# Altium PCB Driver_BLDC.PcbDoc (part 1 of 3) (continued)
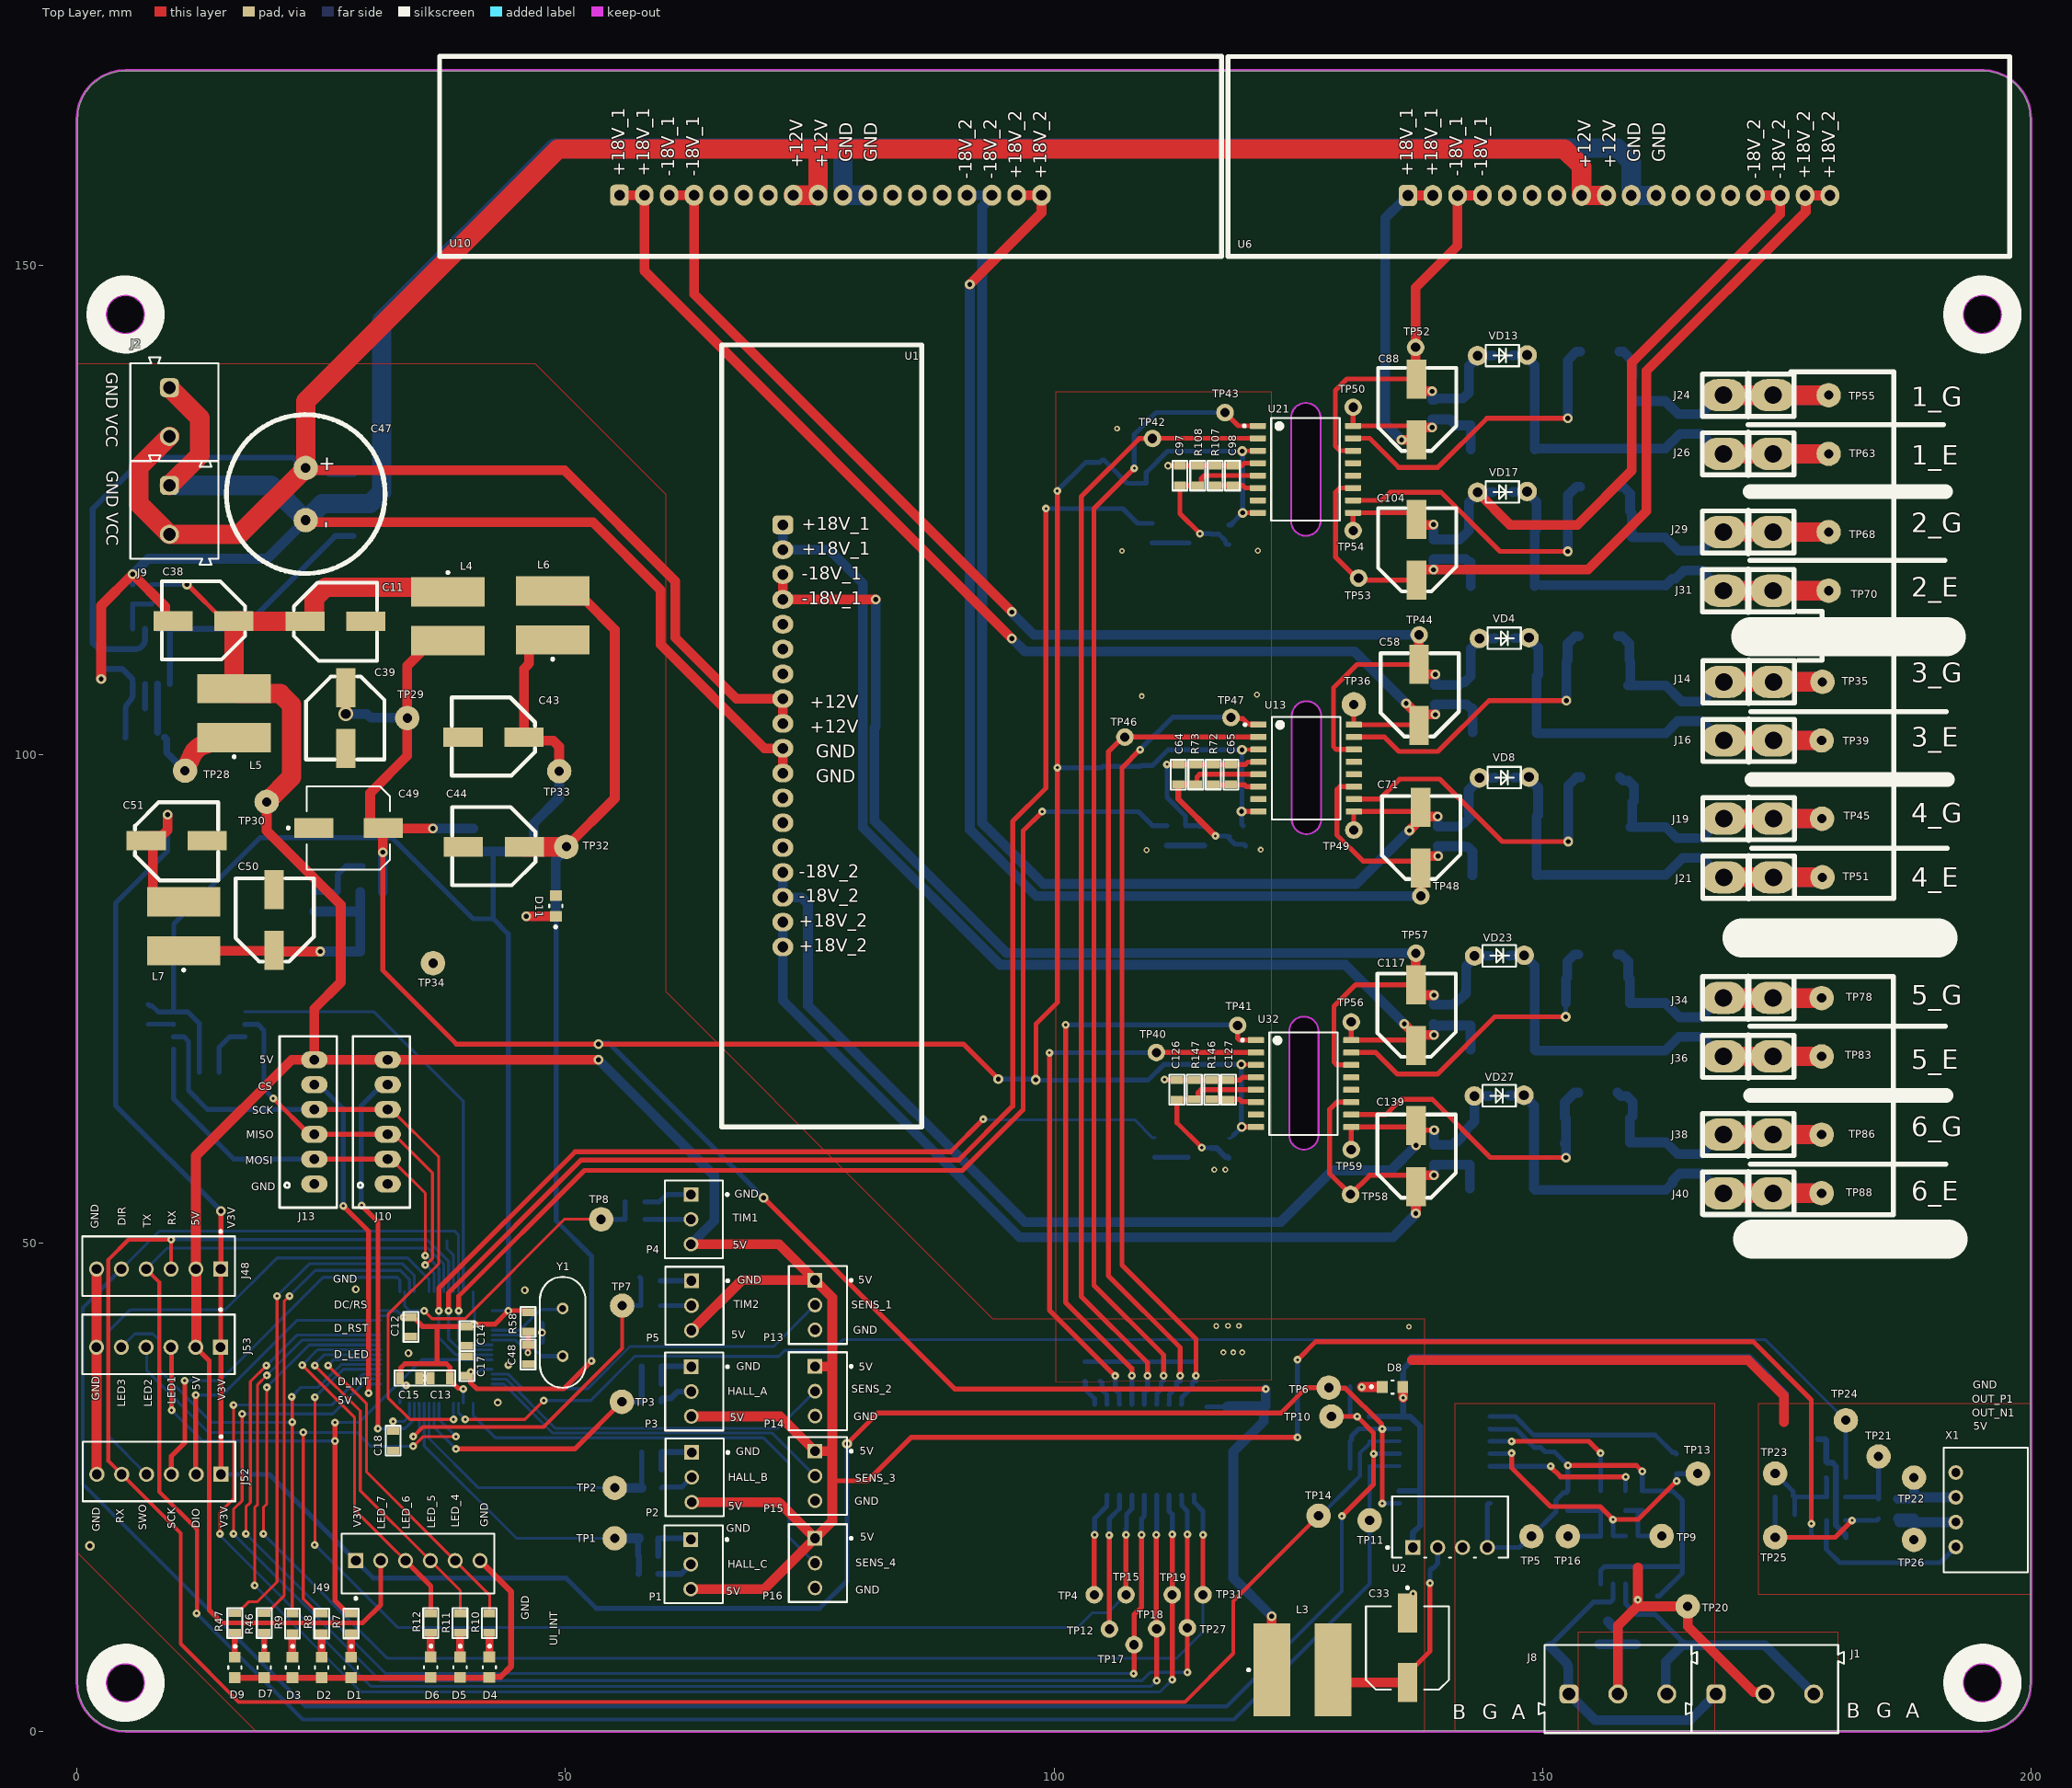
[diagram p0: Top Layer view]
## Components (designator, comment, footprint, x,y, rotation, side; value= is the part's Value field where it differs from the comment) (continued)
C70 "CAP-NON-POLAR" CAP-0805 139.267,91.593 r270 bottom
C71 "100uF_50V" CAP_SMD_Size_E 137.517,91.543 r270 top
C80 "CAP-POLAR" CAP-TAN-D 146.087,93.783 r180 bottom
C82 "CAP-NON-POLAR" CAP-0805 146.101,97.613 r0 bottom
C86 "CAP-NON-POLAR" CAP-0805 138.725,135.258 r270 bottom
C88 "100uF_50V" CAP_SMD_Size_E 137.095,135.35 r270 top
C92 "CAP-POLAR" CAP-TAN-D 145.915,137.138 r180 bottom
C94 "CAP-NON-POLAR" CAP-0805 145.915,140.798 r0 bottom
C97 "CAP-NON-POLAR" CAP-0805 112.893,128.518 r270 top
C98 "CAP-NON-POLAR" CAP-0805 118.265,128.518 r270 top
C102 "CAP-NON-POLAR" CAP-0805 138.825,120.978 r270 bottom
C104 "100uF_50V" CAP_SMD_Size_E 137.105,120.978 r270 top
C110 "CAP-POLAR" CAP-TAN-D 145.915,123.058 r180 bottom
C112 "CAP-NON-POLAR" CAP-0805 145.915,126.828 r0 bottom
C115 "CAP-NON-POLAR" CAP-0805 138.855,73.399 r270 bottom
C117 "100uF_50V" CAP_SMD_Size_E 137.045,73.379 r270 top
C122 "CAP-POLAR" CAP-TAN-D 145.615,75.699 r180 bottom
C123 "CAP-NON-POLAR" CAP-0805 145.615,79.389 r0 bottom
C126 "CAP-NON-POLAR" CAP-0805 112.585,65.674 r270 top
C127 "2.2nF" CAP-0805 117.865,65.674 r270 top
C138 "CAP-NON-POLAR" CAP-0805 138.895,59.029 r270 bottom
C139 "100uF_50V" CAP_SMD_Size_E 137.045,58.949 r270 top
C142 "CAP-POLAR" CAP-TAN-D 145.585,61.398 r180 bottom
C143 "CAP-NON-POLAR" CAP-0805 145.585,65.068 r0 bottom
D1 "151031YS06000" LED_RED 28.081,6.576 r270 top
D2 "151031YS06000" LED_GREEN 25.081,6.576 r270 top
D3 "151031YS06000" LED_YELLOW 22.081,6.576 r270 top
D4 "151031YS06000" LED_BLUE 42.231,6.601 r270 top
D5 "151031YS06000" LED_GREEN 39.231,6.601 r270 top
D6 "151031YS06000" LED_RED 36.231,6.601 r270 top
D7 "151031YS06000" LED_RED 19.202,6.576 r270 top
D8 "LED" LED_BLUE 134.643,35.267 r0 top
D9 "151031YS06000" LED_RED 16.193,6.576 r270 top
D10 "US1G" US1G_SMA 6.98,101.709 r180 bottom
D11 "151031YS06000" LED_GREEN 49.035,84.485 r90 top
D12 "US1G" US1G_SMA 155.717,112.063 r0 bottom
D14 "US1G" US1G_SMA 155.901,97.653 r0 bottom
D17 "US1G" US1G_SMA 155.855,141.188 r0 bottom
D19 "US1G" US1G_SMA 155.855,127.378 r0 bottom
D21 "US1G" US1G_SMA 155.65,79.534 r0 bottom
D24 "US1G" US1G_SMA 155.656,65.379 r0 bottom
J1 "" 691101710003 172.746,4.361 r0 top
J2 "691101710002" 691101710002 10,135.012 r270 top
J8 "" 691101710003 157.702,4.362 r0 top
J9 "691101710002" 691101710002 10,125 r270 top locked
J10 "B6B-XH-TW" B6B-XH-TW 31.193,62.387 r90 top locked
J13 "B6B-XH-TW" B6B-XH-TW 23.693,62.387 r90 top
J14 "G(4)" Klema_PCB_15A 171.087,107.413 r180 top
J16 "E(5)" Klema_PCB_15A 171.087,101.413 r180 top
J19 "G(6)" Klema_PCB_15A 171.087,93.413 r180 top
J21 "E(7)" Klema_PCB_15A 171.087,87.413 r180 top
J24 "G" Klema_PCB_15A 171.035,136.738 r180 top
J26 "E" Klema_PCB_15A 171.035,130.738 r180 top
J29 "G" Klema_PCB_15A 171.035,122.738 r180 top
J31 "E" Klema_PCB_15A 171.035,116.738 r180 top
J34 "G" Klema_PCB_15A 171.045,75.089 r180 top
J36 "E" Klema_PCB_15A 171.045,69.089 r180 top
J38 "G" Klema_PCB_15A 171.045,61.089 r180 top
J40 "E" Klema_PCB_15A 171.045,55.089 r180 top
J48 "" Sullins_SWR25X-NRTC-S06-ST-BA_MFG 8.397,47.632 r180 top
J49 "" Sullins_SWR25X-NRTC-S06-ST-BA_MFG 34.927,17.196 r0 top
J52 "" Sullins_SWR25X-NRTC-S06-ST-BA_MFG 8.432,26.632 r180 top locked
J53 "" Sullins_SWR25X-NRTC-S06-ST-BA_MFG 8.387,39.632 r180 top
L3 "744776227" WE-PD2_1054 1395.425,1276.325 r0 top
L4 "744776227" WE-PD2_7850 37.998,114.122 r270 top
L5 "220uH" WE-PD2_7850 16.12,104.209 r90 top
L6 "1000µH, 0.3A" WE-PD2_7850 48.717,114.198 r90 top
L7 "1000µH, 0.3A" WE-PD2_7850 10.96,82.399 r90 top
P1 "61900311121" 61900311121 63.142,17.127 r90 top
P2 "61900311121" 61900311121 63.243,26.027 r90 top
P3 "61900311121" 61900311121 63.193,34.802 r90 top
P4 "61900311121" 61900311121 63.167,52.421 r90 top
P5 "61900311121" 61900311121 63.217,43.591 r90 top
P13 "61900311121" 61900311121 75.855,43.65 r90 top
P14 "61900311121" 61900311121 75.855,34.835 r90 top
P15 "61900311121" 61900311121 75.855,26.165 r90 top
P16 "61900311121" 61900311121 75.855,17.25 r90 top
Q1 "BC847C" INF-SOT23_N 116.52,91.636 r0 bottom
Q2 "BC847C" INF-SOT23_N 114.945,122.571 r0 bottom
Q3 "BC847C" INF-SOT23_N 114.894,59.711 r0 bottom
R1 "10K" RES-0805 58.511,16.147 r180 bottom
R2 "10K" RES-0805 58.826,24.951 r180 bottom
R3 "10K" RES-0805 58.823,33.784 r180 bottom
R4 "10K" RES-0805 58.522,19.787 r0 bottom
R5 "10K" RES-0805 58.826,28.62 r0 bottom
R6 "10K" RES-0805 58.823,37.384 r0 bottom
R7 "220" RES-0805 28.081,11.076 r90 top
R8 "220" RES-0805 25.081,11.076 r90 top
R9 "220" RES-0805 22.081,11.076 r90 top
R10 "220" RES-0805 42.231,11.101 r90 top
R11 "220" RES-0805 39.231,11.101 r90 top
R12 "220" RES-0805 36.231,11.101 r90 top
R13 "10K" RES-0805 7.35,73.397 r270 bottom
R14 "10K" RES-0805 13.568,67.659 r0 bottom
R15 "10K" RES-0805 104.16,19.775 r90 bottom
R16 "10K" RES-0805 105.705,19.775 r90 bottom
R17 "10K" RES-0805 107.375,19.775 r90 bottom
R18 "10K" RES-0805 108.965,19.775 r90 bottom
R19 "10K" RES-0805 110.475,19.775 r90 bottom
R20 "10K" RES-0805 112.105,19.775 r90 bottom
R21 "10K" RES-0805 113.65,19.775 r90 bottom
R22 "20K" RES-0805 57.125,52.421 r180 bottom
R23 "20K" RES-0805 58.757,43.591 r180 bottom
R24 "10K" RES-0805 161.732,12.892 r90 bottom
R25 "10K" RES-0805 131.303,29.712 r180 bottom
R26 "10K" RES-0805 160.207,23.632 r90 bottom
R27 "10K" RES-0805 152.592,23.632 r90 bottom
R28 "10K" RES-0805 131.303,27.172 r180 bottom
R29 "30K" RES-0805 57.125,54.211 r180 bottom
R30 "30K" RES-0805 58.757,46.131 r180 bottom
R31 "10K" RES-0805 115.25,19.775 r90 bottom
R32 "100" RES-0805 158.477,23.632 r90 bottom
R33 "10K" RES-0805 103.17,36.851 r270 bottom
R34 "10K" RES-0805 104.726,36.851 r270 bottom
R35 "10K" RES-0805 106.271,36.851 r270 bottom
R36 "100" RES-0805 155.937,23.632 r90 bottom
R37 "10K" RES-0805 107.94,36.851 r270 bottom
R38 "10K" RES-0805 163.712,27.412 r270 bottom
R39 "220" RES-0805 131.303,35.287 r180 bottom
R40 "10K" RES-0805 131.303,32.252 r180 bottom
R41 "10K" RES-0805 156.662,12.292 r90 bottom
R42 "10K" RES-0805 109.58,36.851 r270 bottom
R43 "10K" RES-0805 111.225,36.851 r270 bottom
R44 "10K" RES-0805 112.915,36.851 r270 bottom
R45 "10K" RES-0805 114.534,36.851 r270 bottom
R46 "220" RES-0805 19.202,11.125 r90 top
R47 "220" RES-0805 16.193,11.125 r90 top
R49 "10K" RES-0805 185.363,23.818 r180 bottom locked
R50 "1K" RES-0805 180.013,25.998 r180 bottom locked
R51 "10K" RES-0805 185.363,21.808 r180 bottom locked
R52 "47K" RES-0805 180.013,27.838 r180 bottom locked
R53 "10K" RES-0805 174.793,22.188 r0 bottom locked
R54 "0.33" RES-2512 27.698,125.792 r270 bottom
R55 "220" RES-0805 48.065,83.377 r0 bottom
R56 "3.8K" RES-0805 7.64,116.369 r270 bottom
R57 "1.2K" RES-0805 5.74,116.369 r270 bottom
R58 "10K" RES-0805 46.195,41.924 r90 top
R59 "10K" RES-0805 37.897,51.232 r270 bottom
R60 "10" RES-2512 155.717,108.273 r0 bottom
R61 "10K" RES-0805 165.737,104.393 r90 bottom
R62 "1K" RES-2512 146.101,103.453 r180 bottom
R72 "100K" RES-0805 116.308,97.927 r270 top
R73 "10K" RES-0805 114.518,97.937 r270 top
R76 "3K" RES-0805 119.607,91.636 r270 bottom
R77 "10" RES-2512 155.901,93.843 r0 bottom
R81 "10K" RES-0805 165.717,90.413 r90 bottom
R82 "1K" RES-2512 146.087,88.843 r180 bottom
R84 "1K" RES-0805 111.539,91.686 r270 bottom
R88 "10K" RES-0805 113.46,91.686 r90 bottom
R92 "10" RES-2512 155.855,137.358 r0 bottom
R95 "10K" RES-0805 165.545,133.788 r90 bottom
R96 "1K" RES-2512 145.915,132.428 r180 bottom
R104 "3K" RES-0805 117.917,122.469 r270 bottom
R107 "100K" RES-0805 116.495,128.518 r270 top
R108 "10K" RES-0805 114.713,128.518 r270 top
R111 "1K" RES-0805 110.043,122.622 r270 bottom
R113 "10K" RES-0805 111.948,122.622 r90 bottom
R115 "10" RES-2512 155.855,123.478 r0 bottom
R118 "10K" RES-0805 165.635,119.818 r90 bottom
R119 "1K" RES-2512 145.915,118.428 r180 bottom
R131 "10" RES-2512 155.65,75.784 r0 bottom
R132 "3K" RES-0805 117.866,59.727 r270 bottom
R135 "10K" RES-0805 165.775,72.099 r90 bottom
R136 "1K" RES-2512 145.905,71.029 r180 bottom
R140 "1K" RES-0805 110.322,59.761 r270 bottom
R143 "10K" RES-0805 112.024,59.761 r90 bottom
R146 "100K" RES-0805 116.14,65.679 r270 top
R147 "10K" RES-0805 114.36,65.679 r270 top
R149 "10" RES-2512 155.656,61.529 r0 bottom
R152 "10K" RES-0805 165.595,58.099 r90 bottom
R153 "1K" RES-2512 145.845,56.788 r180 bottom
TP1 "" Test_Point#1 55.065,19.787 r0 top
TP2 "" Test_Point#1 55.065,24.951 r0 top
TP3 "" Test_Point#1 55.793,33.754 r0 top
TP4 "Test_Point_PCB" Test_Point#2 104.125,14.011 r0 top
TP5 "Test_Point_PCB" Test_Point#1 148.858,20.002 r0 top
TP6 "" Test_Point#1 128.125,35.198 r90 top
TP7 "" Test_Point#1 55.823,43.591 r90 top
TP8 "" Test_Point#1 53.671,52.421 r90 top
TP9 "Test_Point_PCB" Test_Point#1 162.184,20.027 r0 top
TP10 "Test_Point_PCB" Test_Point#1 128.397,32.252 r90 top
TP11 "Test_Point_PCB" Test_Point#1 132.303,21.628 r180 top
TP12 "Test_Point_PCB" Test_Point#2 105.675,10.5 r90 top
TP13 "Test_Point_PCB" Test_Point#1 165.876,26.412 r90 top
TP14 "Test_Point_PCB" Test_Point#1 127.076,22.098 r180 top
TP15 "Test_Point_PCB" Test_Point#2 107.375,14.011 r90 top
TP16 "" Test_Point#1 152.592,20.002 r0 top
TP17 "Test_Point_PCB" Test_Point#2 108.2,8.9 r90 top
TP18 "Test_Point_PCB" Test_Point#2 110.512,10.537 r90 top
TP19 "Test_Point_PCB" Test_Point#2 112.105,14.011 r90 top
TP20 "Test_Point_PCB" Test_Point#1 164.842,12.822 r90 top
TP21 "Test_Point_PCB" Test_Point#1 184.373,28.158 r180 top locked
TP22 "Test_Point_PCB" Test_Point#1 187.993,25.998 r180 top locked
TP23 "Test_Point_PCB" Test_Point#1 173.793,26.418 r180 top locked
TP24 "Test_Point_PCB" Test_Point#1 181.023,31.868 r180 top locked
TP25 "Test_Point_PCB" Test_Point#1 173.793,19.891 r180 top locked
TP26 "Test_Point_PCB" Test_Point#1 187.993,19.638 r180 top locked
TP27 "Test_Point_PCB" Test_Point#2 113.65,10.625 r90 top
TP28 "Test_Point_PCB" Test_Point#1 11.09,98.319 r90 top
TP29 "Test_Point_PCB" Test_Point#1 33.83,103.699 r90 top
TP30 "Test_Point_PCB" Test_Point#1 19.45,95.125 r90 top
TP31 "Test_Point_PCB" Test_Point#2 115.25,14.011 r90 top
TP32 "Test_Point_PCB" Test_Point#1 50.111,90.534 r270 top
TP33 "Test_Point_PCB" Test_Point#1 49.38,98.269 r270 top
TP34 "Test_Point_PCB" Pin_Test_Point(Orange) 36.475,78.625 r90 top
TP35 "Test_Point_PCB" Test_Point#1 178.637,107.413 r90 top
TP36 "Test_Point_PCB" Test_Point#1 130.682,105.097 r90 top
TP39 "Test_Point_PCB" Test_Point#1 178.547,101.413 r90 top
TP40 "Test_Point_PCB" Test_Point#2 110.479,69.484 r90 top
TP41 "Test_Point_PCB" Test_Point#2 118.796,72.263 r90 top
TP42 "Test_Point_PCB" Test_Point#2 110.084,132.309 r90 top
TP43 "Test_Point_PCB" Test_Point#2 117.503,134.957 r90 top
TP44 "Test_Point_PCB" Test_Point#2 137.367,112.217 r90 top
TP45 "Test_Point_PCB" Test_Point#1 178.587,93.413 r90 top
TP46 "Test_Point_PCB" Test_Point#2 107.259,101.758 r90 top
TP47 "Test_Point_PCB" Test_Point#2 118.117,103.755 r90 top
TP48 "Test_Point_PCB" Test_Point#2 137.541,85.496 r90 top
TP49 "Test_Point_PCB" Test_Point#2 130.682,92.246 r90 top
TP50 "Test_Point_PCB" Test_Point#2 130.61,135.508 r90 top
TP51 "Test_Point_PCB" Test_Point#1 178.637,87.413 r90 top
TP52 "Test_Point_PCB" Test_Point#2 137.008,141.63 r90 top
TP53 "Test_Point_PCB" Test_Point#2 131.173,118.027 r90 top
TP54 "Test_Point_PCB" Test_Point#2 130.61,122.892 r90 top
TP55 "Test_Point_PCB" Test_Point#1 179.271,136.738 r90 top
TP56 "Test_Point_PCB" Test_Point#2 130.42,72.615 r90 top
TP57 "Test_Point_PCB" Test_Point#2 137.045,79.654 r90 top
TP58 "Test_Point_PCB" Test_Point#2 130.353,54.966 r90 top
TP59 "Test_Point_PCB" Test_Point#2 130.42,59.559 r90 top
TP63 "Test_Point_PCB" Test_Point#1 179.271,130.738 r90 top
TP68 "Test_Point_PCB" Test_Point#1 179.271,122.738 r90 top
TP70 "Test_Point_PCB" Test_Point#1 179.271,116.738 r90 top
TP78 "Test_Point_PCB" Test_Point#1 178.545,75.059 r90 top
TP83 "Test_Point_PCB" Test_Point#1 178.545,69.089 r90 top
TP86 "Test_Point_PCB" Test_Point#1 178.545,61.089 r90 top
TP88 "Test_Point_PCB" Test_Point#1 178.545,55.089 r90 top
U1 "DC-DC" DC-DC_Bridge 70.969,61.874 r270 top
U2 "B0505S-1W" B0505S-1W 140.533,20.947 r0 top locked
U3 "MAX485" SOIC-8-MFG 157.842,17.562 r270 bottom
U4 "ADUM1401BRWZ" ADI-RW-16_M 139.993,27.807 r0 bottom
U5 "" SOT-23-5 180.013,22.818 r270 bottom locked
U6 "DC-DC" DC-DC_Bridge 197.815,155.881 r0 top
U7 "MC34063" SOIC-8_M 7.64,110.009 r90 bottom
U8 "STM32F722RET6" LQFP64-5W-IPC_A 36.814,39.326 r180 bottom locked
U9 "AMS1117-3v3" SOT-223-3 43.71,90.059 r90 bottom
U10 "DC-DC" DC-DC_Bridge 117.145,155.905 r0 top
U11 "AMS1117-3v3" SOT-223-3 29.02,82.869 r0 bottom
U13 "UCC21520DW" FP-DW0016B-MFG 125.807,98.583 r0 top
U15 "W25Q128" WINB-SOIC-8_M 13.568,71.742 r180 bottom
U16 "SN74HC541DWR" DW0020A_L 109.875,28.85 r90 bottom
U21 "UCC21520DW" FP-DW0016B-MFG 125.735,129.148 r0 top
U32 "UCC21520DW" FP-DW0016B-MFG 125.545,66.309 r0 top
VD2 "SMBJ18CA" DO-214AA 162.587,102.533 r90 bottom
VD4 "5.1V" DO-35 146.101,111.871 r180 top
VD6 "SMBJ18CA" DO-214AA 162.587,88.053 r90 bottom
VD8 "5.1V" DO-35 146.101,97.613 r180 top
VD11 "SMBJ18CA" DO-214AA 162.535,131.638 r90 bottom
VD13 "5.1V" DO-35 145.915,140.798 r180 top
VD15 "SMBJ18CA" DO-214AA 162.545,117.678 r90 bottom
VD17 "5.1V" DO-35 145.915,126.828 r180 top
VD21 "SMBJ18CA" DO-214AA 162.555,70.059 r90 bottom
VD23 "5.1V" DO-35 145.615,79.389 r180 top
VD25 "SMBJ18CA" DO-214AA 162.595,55.819 r90 bottom
VD27 "5.1V" DO-35 145.585,65.068 r180 top
X1 "CONN-4-PIN" CONN-PLS-4-2.54mm 192.275,18.9 r90 top locked
Y1 "FOXSLF/120-20" FOX-FOXSLF-2_V 49.737,40.866 r90 top
ZD1 "P6SMB16CA" DO-214AA 164.272,8.862 r180 bottom
ZD2 "P6SMB16CA" DO-214AA 151.187,8.862 r0 bottom

## Footprints (in the part's own frame and the unit in brackets; to place one, negate y for a bottom-side part, rotate by r counter-clockwise, add the part's x,y. Pads: shape width x height; smd on the part's side, far side on the other; paste and mask are expansions set on the pad)
61900311121 [mm] "2.54mm Male Locking Header, 3p"
  rect 1.5x1.5 hole 1: 1(2.54,0.3)
  round 1.5 hole 1: 2(0,0.3) 3(-2.54,0.3)
  silkscreen extent -3.98,-3.52 3.98,2.98, body extent -3.81,-2.9 3.81,2.9, height 11.53
691101710002 [mm] "5,00mm - modular - blue - Horizontal entry with pressure clamp - 12,6mm height - 02p"
  rrect50% 1.95x1.95 hole 1.3: 1(-2.5,-0.5)
  round 1.95 hole 1.3: 2(2.5,-0.5)
  silkscreen extent -5.6,-4.5 5.6,4.5, body extent -5.6,-4.5 5.6,4.5, height 12.65
691101710003 [mm] "5,00mm - modular - blue - Horizontal entry with pressure clamp - 12,6mm height - 03p"
  rrect50% 1.95x1.95 hole 1.3: 1(-5,-0.5)
  round 1.95 hole 1.3: 2(0,-0.5) 3(5,-0.5)
  silkscreen extent -8.1,-4.5 8.1,4.5, body extent -8.1,-4.5 8.1,4.5, height 12.65
ADI-RW-16_M [mm] "SOIC, 16-Leads, Body 10.3x7.5mm, Pitch 1.27mm, IPC Low Density"
  oval 2.6x0.7 smd: 1(-4.625,4.445) 2(-4.625,3.175) 3(-4.625,1.905) 4(-4.625,0.635) 5(-4.625,-0.635) 6(-4.625,-1.905) 7(-4.625,-3.175) 8(-4.625,-4.445) 9(4.625,-4.445) 10(4.625,-3.175) 11(4.625,-1.905) 12(4.625,-0.635) 13(4.625,0.635) 14(4.625,1.905) 15(4.625,3.175) 16(4.625,4.445)
  silkscreen extent -4.75,-5.25 2.93,5.47, body extent -3.8,-5.25 3.8,5.25, height 2.65
B6B-XH-TW [mm]
  oval 1.75x2.7 hole 1: 1(-6.35,-0.635) 2(-3.81,-0.635) 3(-1.27,-0.635) 4(1.27,-0.635) 5(3.81,-0.635) 6(6.35,-0.635)
  silkscreen extent -8.76,-2.92 8.76,2.92, body extent -8.75,-2.88 8.75,2.88, height 6.88
B0505S-1W [mm]
  rect 1.55x1.55 hole 1 paste-2539.97 mask+0: 1(-3.81,-2.1)
  round 1.55 hole 1 paste-2539.97 mask+0: 2(-1.27,-2.1) 3(1.27,-2.1) 4(3.81,-2.1)
  silkscreen extent -6.52,-3.13 5.92,3.13, body extent -6.02,-3.22 6.02,3.22, height 0.25
CAP-0805 [mm]
  rect 0.8x1.25 smd mask+0.015: 1(-1,0) 2(1,0)
  silkscreen extent -1.52,-0.76 1.52,0.76, body extent -1,-0.62 1,0.63, height 0.8
CAP-TAN-D [mm]
  rect 2.2x2.5 smd: 1(-3.45,0) 2(3.45,0)
  silkscreen extent -4.5,-2.4 3.65,2.4, body extent -3.8,-2.3 3.8,2.3, height 4
CAP_SMD_Size_E [mm]
  rect 4x2 smd: 1(3.175,0) 2(-3.048,0)
  silkscreen extent -4.19,-3.94 4.32,4.06, body extent -4.25,-4 4.25,4, height 10.59
CAP_SMD_Size_G [mm]
  rect 4x2 smd paste+0 mask+0: 1(3.55,0) 2(-3.55,0)
  silkscreen extent -6.27,-4.25 4.25,4.25, body extent -5.8,-4.5 5.8,4.5, height 0.25
CONN-PLS-4-2.54mm [mm]
  round 1.5 hole 0.9: 1(0,0) 2(2.54,0) 3(5.08,0) 4(7.62,0)
  silkscreen extent -2.6,-7.37 10.15,1.25, body extent -2.45,-7.3 10.05,0.3, height 5.9
DC-DC_Bridge [mm]
  rrect50% 1.905x2.159 hole 1.1: 1(-61.595,1.294)
  oval 1.905x2.159 hole 1.1: 2(-59.055,1.294) 3(-56.515,1.294) 4(-53.975,1.294) 5(-51.435,1.294) 6(-48.895,1.294) 7(-46.355,1.294) 8(-43.815,1.294) 9(-41.275,1.294) 10(-38.735,1.294) 11(-36.195,1.294) 12(-33.655,1.294) 13(-31.115,1.294) 14(-28.575,1.294) 15(-26.035,1.294) 16(-23.495,1.294) 17(-20.955,1.294) 18(-18.415,1.294)
  silkscreen extent -80.01,-4.95 -0.01,15.5, body extent -80,-4.89 0,15.5, height 84
DO-35 [mm]
  round 2 hole 1: 1(-2.5,-0.05) 2(2.575,0.025)
  silkscreen extent -1.68,-1.1 1.75,1.1, body extent -2.82,-0.9 2.82,0.9, height 1.82
DO-214AA [mm]
  rect 2.4x2.4 smd: 1(-0.381,0) 2(4.5,0)
  silkscreen extent 1.02,-1.91 6.35,1.91, body extent -0.75,-1.97 4.85,1.97, height 2.65
DW0020A_L [mm] "SOIC, 20-Leads, Body 13x7.6mm, Pitch 1.27mm, IPC High Density"
  rrect18% 1.7x0.55 smd: 1(-4.65,5.715) 2(-4.65,4.445) 3(-4.65,3.175) 4(-4.65,1.905) 5(-4.65,0.635) 6(-4.65,-0.635) 7(-4.65,-1.905) 8(-4.65,-3.175) 9(-4.65,-4.445) 10(-4.65,-5.715) 11(4.65,-5.715) 12(4.65,-4.445) 13(4.65,-3.175) 14(4.65,-1.905) 15(4.65,-0.635) 16(4.65,0.635) 17(4.65,1.905) 18(4.65,3.175) 19(4.65,4.445) 20(4.65,5.715)
  silkscreen extent -4.77,-6.5 3.4,6.67, body extent -5.16,-6.4 5.16,6.4, height 2.52
FOX-FOXSLF-2_V [mm] "THD, 2-Leads, Body 11.35x4.65mm, Pitch 4.88mm"
  round 1.2 hole 0.7: 1(-2.44,0) 2(2.44,0)
  silkscreen extent -5.68,-2.32 5.68,2.32, body extent -5.67,-2.32 5.68,2.32, height 3.6
FP-C0805C-DN-MFG [mm]
  rect 0.95x1.35 smd paste+0 mask+0: 1(-0.75,0) 2(0.75,0)
  silkscreen extent -1.1,-1.07 1.1,1.07, body extent -1,-0.63 1,0.63, height 0.88
FP-DW0016B-MFG [mm]
  rrect17% 1.65x0.6 smd paste+0 mask+0: 1(-4.875,4.445) 2(-4.875,3.175) 3(-4.875,1.905) 4(-4.875,0.635) 5(-4.875,-0.635) 6(-4.875,-1.905) 7(-4.875,-3.175) 8(-4.875,-4.445) 9(4.875,-4.445) 10(4.875,-3.175) 11(4.875,-1.905) 12(4.875,-0.635) 13(4.875,0.635) 14(4.875,1.905) 15(4.875,3.175) 16(4.875,4.445)
  silkscreen extent -6.37,-5.25 3.5,5.25, body extent -5.15,-5.15 5.15,5.15, height 2.65
FP-GRM21B-0_1-IPC_C [mm]
  rect 0.958x1.262 smd paste+0 mask+0: 1(-0.727,0) 2(0.727,0)
  silkscreen extent -1.21,-1.07 1.21,1.07, body extent -1,-0.63 1,0.63, height 1.35
"HITANO 3300uF 25V  16x25" [mm]
  round 2.5 hole 1: 1(-2.667,0) 2(2.667,0)
  silkscreen extent -8.12,-8.12 8.12,8.12, body extent -8.15,-8.14 8.16,8.16, height 25.87
INF-SOT23_N [mm] "SOT23, 3-Leads, Body 2.9x1.3 mm, Pitch 0.95 mm, IPC Medium Density"
  rect 1.05x0.6 smd: 1(-1.15,0.95) 2(-1.15,-0.95) 3(1.15,0)
  silkscreen extent -1.27,-1.5 0.7,1.92, body extent -0.7,-1.5 0.7,1.5, height 1.1
Klema_PCB_15A [mil]
  oval 180x130 hole 70: 1(-100,0) 1(100,0)
  silkscreen extent -185,-85 185,85, body extent -161,-16 161,16, height 505
LED_BLUE [mm]
  rect 1.1x1.2 smd paste+0 mask+0: 1(-1.05,0) 2(1.05,0)
  silkscreen extent -2.27,-0.67 0.13,0.67, body extent -1,-0.63 1,0.63, height 0.8
LED_GREEN [mm]
  rect 1.1x1.2 smd paste+0 mask+0: 1(-1.05,0) 2(1.05,0)
  silkscreen extent -2.27,-0.67 0.13,0.67, body extent -1,-0.63 1,0.63, height 0.8
LED_RED [mm]
  rect 1.1x1.2 smd paste+0 mask+0: 1(-1.05,0) 2(1.05,0)
  silkscreen extent -2.27,-0.67 0.13,0.67, body extent -1.7,-0.77 1.7,0.77, height 0.25
LED_YELLOW [mm]
  rect 1.1x1.2 smd paste+0 mask+0: 1(-1.05,0) 2(1.05,0)
  silkscreen extent -2.27,-0.67 0.13,0.67, body extent -1,-0.63 1,0.63, height 0.8
LQFP64-5W-IPC_A [mm]
  rect 1.788x0.312 smd paste+0 mask+0: 1(-5.691,3.75)
  rrect100% 1.788x0.312 smd paste+0 mask+0: 2(-5.691,3.25) 3(-5.691,2.75) 4(-5.691,2.25) 5(-5.691,1.75) 6(-5.691,1.25) 7(-5.691,0.75) 8(-5.691,0.25) 9(-5.691,-0.25) 10(-5.691,-0.75) 11(-5.691,-1.25) 12(-5.691,-1.75) 13(-5.691,-2.25) 14(-5.691,-2.75) 15(-5.691,-3.25) 16(-5.691,-3.75) 33(5.691,-3.75) 34(5.691,-3.25) 35(5.691,-2.75) 36(5.691,-2.25) 37(5.691,-1.75) 38(5.691,-1.25) 39(5.691,-0.75) 40(5.691,-0.25) 41(5.691,0.25) 42(5.691,0.75) 43(5.691,1.25) 44(5.691,1.75) 45(5.691,2.25) 46(5.691,2.75) 47(5.691,3.25) 48(5.691,3.75)
  rrect100% 0.312x1.788 smd paste+0 mask+0: 17(-3.75,-5.691) 18(-3.25,-5.691) 19(-2.75,-5.691) 20(-2.25,-5.691) 21(-1.75,-5.691) 22(-1.25,-5.691) 23(-0.75,-5.691) 24(-0.25,-5.691) 25(0.25,-5.691) 26(0.75,-5.691) 27(1.25,-5.691) 28(1.75,-5.691) 29(2.25,-5.691) 30(2.75,-5.691) 31(3.25,-5.691) 32(3.75,-5.691) 49(3.75,5.691) 50(3.25,5.691) 51(2.75,5.691) 52(2.25,5.691) 53(1.75,5.691) 54(1.25,5.691) 55(0.75,5.691) 56(0.25,5.691) 57(-0.25,5.691) 58(-0.75,5.691) 59(-1.25,5.691) 60(-1.75,5.691) 61(-2.25,5.691) 62(-2.75,5.691) 63(-3.25,5.691) 64(-3.75,5.691)
  silkscreen extent -5.82,-4.25 4.25,4.58, body extent -6,-6 6,6, height 1.6
Pin_Test_Point(Orange) [mm]
  round 2.5 hole 0.95: 1(0,0)
  body extent -1.3,-1.78 1.3,1.78, height 6.93
RES-0805 [mm]
  rect 0.8x1.25 smd mask+0.015: 1(-1,0) 2(1,0)
  silkscreen extent -1.52,-0.76 1.52,0.76, body extent -1,-0.62 1,0.63, height 0.6
RES-2512 [mm]
  rect 1.8x1.45 smd: 1(-3.275,-1.225) 1(-3.275,1.225) 2(3.275,-1.225) 2(3.275,1.225)
  silkscreen extent -4.28,-2.05 4.25,2.05, body extent -3.2,-1.6 3.2,1.6, height 0.6
SOIC-8-MFG [mm]
  rect 1.98x0.53 smd paste+0 mask+0: 1(-2.465,1.905) 2(-2.465,0.635) 3(-2.465,-0.635) 4(-2.465,-1.905) 5(2.465,-1.905) 6(2.465,-0.635) 7(2.465,0.635) 8(2.465,1.905)
  silkscreen extent -4.27,-2.5 1.1,2.5, body extent -3,-2.45 3,2.45, height 1.75
SOIC-8_M [mm]
  rrect15% 1.65x0.65 smd: 1(-2.825,1.905) 2(-2.825,0.635) 3(-2.825,-0.635) 4(-2.825,-1.905) 5(2.825,-1.905) 6(2.825,-0.635) 7(2.825,0.635) 8(2.825,1.905)
  silkscreen extent -2.95,-2.5 1.6,2.91, body extent -3,-2.45 3,2.45, height 1.63
SOT-23-5 [mm]
  rect 0.9x0.65 smd: 1(-1.2,0.95) 2(-1.2,0) 3(-1.2,-0.95) 4(1.2,-0.95) 5(1.2,0.95)
  silkscreen extent -1.32,-1.55 0.35,1.95, body extent -1.4,-1.45 1.4,1.45, height 1.24
SOT-223-3 [mm]
  rect 0.95x1.9 smd: 1(-2.3,-3.05) 2(0,-3.05) 3(2.3,-3.05)
  rect 3.25x1.9 smd: 2(0,3.05)
  silkscreen extent -3.3,-4.2 3.3,4.2, body extent -3.25,-3.5 3.25,3.5, height 1.7
Sullins_SWR25X-NRTC-S06-ST-BA_MFG [mm]
  rect 1.55x1.55 hole 1 paste-2539.97 mask+0: 1(-6.35,0.3)
  round 1.55 hole 1 paste-2539.97 mask+0: 2(-3.81,0.3) 3(-1.27,0.3) 4(1.27,0.3) 5(3.81,0.3) 6(6.35,0.3)
  silkscreen extent -7.8,-3.67 7.8,3.05, body extent -7.9,-3.15 7.9,3.15, height 0.25
Test_Point#1 [mm]
  round 2.5 hole 0.95: 1(0,0)
Test_Point#2 [mm]
  round 1.8 hole 0.95: 1(0,0)
US1G_SMA [mm]
  rect 2.5x1.7 smd paste+0 mask+0: 1(-2,0) 2(2,0)
  silkscreen extent -3.93,-1.46 2.3,1.46, body extent -2.6,-1.3 2.6,1.3, height 2.4
WE-PD2_1054 [mm] "SMD Power Inductor, 2-Leads, body 10x9mm"
  rect 3.75x9.5 smd: 1(-1273.125,-1270) 2(-1266.875,-1270)
  silkscreen extent -1275.62,-1270.12 -1275.37,-1269.88, body extent -1275.04,-1274.5 -1264.96,-1265.5, height 5.43
WE-PD2_7850 [mm] "SMD Power Inductor, 2-Leads, body 7.8x7mm"
  rect 3x7.5 smd: 1(-2.5,0) 2(2.5,0)
  silkscreen extent -4.59,-0.12 -4.34,0.13, body extent -3.81,-3.5 3.81,3.5, height 4.95
WINB-SOIC-8_M [mm]
  oval 1.9x0.65 smd: 1(-3.65,1.905) 2(-3.65,0.635) 3(-3.65,-0.635) 4(-3.65,-1.905) 5(3.65,-1.905) 6(3.65,-0.635) 7(3.65,0.635) 8(3.65,1.905)
  silkscreen extent -3.78,-2.7 2.3,2.9, body extent -2.7,-2.7 2.7,2.7, height 2.16

## Part data
C1 C2 C3 C4 C6 C18 C25 C26 C27 C28 C29 C36 C40 C41 C42 C45 C46 C48 C52 C53 C54 C127: library part CAP-NON-POLAR
C8 C10: library part CMP-2007-03453-2, "Chip Multilayer Ceramic Capacitors for General Purpose, 0805, 16pF, X5R, 15%, 10%, 16V", Capacitance=10uF, Case Code (Imperial)=0805, Case Code (Metric)=2012, Dielectric=X5R, Max Operating Temperature=85°C, Min Operating Temperature=-55°C, Package Quantity=1, Tolerance=10%, Voltage=16V, Case/Package=0805, Depth=1.25mm, Height=1.25mm, Lead Free="Lead Free", Length=2mm, Material=Ceramic, Mount="Surface Mount", Packaging="Tape and Reel", Radiation Hardening=No, REACH SVHC="No SVHC", Termination=SMD/SMT, Thickness=0.053inch, Voltage Rating=16V, Voltage Rating (DC)=16V, Width=1.25mm
C9: library part CMP-1036-04552-2, "CAP CER 0.22UF 50V X7R 0805", Capacitance="0.22 μF", Manufacturer=KEMET, Package=C0805C-DN, Temperature="-55°C to +125°C", Temperature Characteristic=X7R, Temperature Coefficient=30ppm/°C, Temperature Range High=+125°C, Temperature Range Low=-55°C, Tolerance=0.1, Voltage Rating="50 V", Automotive=No, Category=Cap, ComponentLink2Description=Datasheet, ComponentLink2URL=https://content.kemet.com/datasheets/KEM_C1003_C0G_SMD.pdf, Device Class L1="Passive Components", Device Class L2=Capacitors, Device Class L3="Ceramic Capacitors", Digikey Description="CAP CER 0.22UF 50V X7R 0805", Height=0.88mm, Ipc Land Pattern Name=CAPC200125X78, Lead Free=Yes, Manufacturer Part Number=C0805C224K5RACTU, Material=Ceramic, Mouser Description="CAP CER 0.22UF 50V X7R 0805", Octopart=https://octopart.com/c0805c224k5ractu-kemet-144670, RoHS=TRUE
C11 C38 C39: library part CAP_POL_SMD
C33 C43 C44 C47 C49 C50 C51 C58 C71 C88 C104 C117 C139: library part CAP-POLAR
D1 D2 D3 D4 D5 D6 D7 D9 D11: library part LED, "WURTH ELEKTRONIK - 151031YS06000 - LED, Yellow, Through Hole, T-1 (3mm), 30 mA, 2 V, 590 nm", Manufacturer_Name="Wurth Elektronik", Mouser Part Number=710-151031YS06000, Datasheet Link=https://katalog.we-online.de/led/datasheet/151031YS06000.pdf, Geometry.Height=5.5mm, Manufacturer_Part_Number=151031YS06000, Mouser Price/Stock=https://www.mouser.co.uk/ProductDetail/Wurth-Elektronik/151031YS06000?qs=LlUlMxKIyB3xSYYW%252BcuBiQ%3D%3D
D8: "WURTH ELEKTRONIK - 151031YS06000 - LED, Yellow, Through Hole, T-1 (3mm), 30 mA, 2 V, 590 nm", Manufacturer_Name="Wurth Elektronik", Manufacturer_Part_Number=151031YS06000, Mouser Part Number=710-151031YS06000, Datasheet Link=https://katalog.we-online.de/led/datasheet/151031YS06000.pdf, Geometry.Height=5.5mm, Mouser Price/Stock=https://www.mouser.co.uk/ProductDetail/Wurth-Elektronik/151031YS06000?qs=LlUlMxKIyB3xSYYW%252BcuBiQ%3D%3D
J1 J8: library part 691101710003, "WR-TBL Series 101 Horizontal Entry Modular, Through Hole, pitch 5mm, 3p", Manufacturer="Wurth Elektronik", Operating Temperature Max=105°C, Operating Temperature Min=-40°C, Rated Current=16A, Working Voltage=250V, Application="Pressure Clamp", Category="Terminal Blocks", ComponentLink1Description="Manufacturer Link", ComponentLink1URL=https://www.we-online.com/redexpert/article/691101710003?ad, ComponentLink2Description=Datasheet, ComponentLink2URL=https://www.we-online.com/redexpert/spec/691101710003?ad, Manufacturer Part Number=691101710003, Match Code=WR-TBL, Modularity=Yes, Mount="Through Hole", Orientation=Horizontal, Packaging=Box, PCB/Cable/Panel=PCB, Pin Number=3, Pitch=5mm
J2 J9: "WR-TBL Series 101 Horizontal Entry Modular, THT, pitch 5mm, 2p", Manufacturer="Wurth Elektronik", Operating Temperature Max=105°C, Operating Temperature Min=-40°C, Rated Current=16A, Working Voltage=250V, Application="Pressure Clamp", Category="Terminal Blocks", ComponentLink1Description="Website Link", ComponentLink1URL=https://www.we-online.com/redexpert/article/691101710002?ad, ComponentLink2Description="Datasheet Link", ComponentLink2URL=https://www.we-online.com/redexpert/spec/691101710002?ad, Manufacturer Part Number=691101710002, Match Code=WR-TBL, Modularity=Yes, Mount="Through Hole", Number of Pins=2, Number of Rows=1, Orientation=Horizontal, Packaging=Box, Pitch=5mm
J14 J16 J19 J21 J24 J26 J29 J31 J34 J36 J38 J40: library part Klema_15_A
J48 J49 J52 J53: library part SWR25X-NRTC-S06-ST-BA
L3 L4: library part CMP-0227-00501-2, Ambient Temperature Range High=85°C, Ambient Temperature Range Low=-40°C, Current Rating=620mA, DC Resistance (DCR)=500mΩ, Inductance=270µH, Max Operating Temperature=125°C, Self Resonant Frequency=4MHz, Height=5.4mm, Length=9mm, Min Operating Temperature=-40°C, NexarPartId=24533346, Packaging=Digi-Reel®, RoHS=Compliant, Width=10mm
L5 L6 L7: library part 74477530, "WE-PD2 SMT Power Inductor, size 7850, 1000µH, 0.3A, 3.3Ω", Case/Size Code=7850, DC Resistance=2.78Ω, DC Resistance Max=3.3Ω, Inductance=1000µH, Manufacturer="Wurth Elektronik", Operating Temperature Max=125°C, Operating Temperature Min=-40°C, Rated Current=0.3A, Self Resonant Frequency=2.4MHz, Category="Unshielded Power Inductors", ComponentLink1Description="Website Link", ComponentLink1URL=https://www.we-online.com/redexpert/article/74477530?ad, ComponentLink2Description="Datasheet Link", ComponentLink2URL=https://www.we-online.com/redexpert/spec/74477530?ad, Height=4.95mm, Length=7.8mm, Manufacturer Part Number=74477530, Match Code=WE-PD2, Mount="Surface Mount", Packaging="Tape and Reel", Saturation Current=0.3A, Width=7mm, Simulation ModelName=7850_74477530_1m, Simulation ModelText="******* / .subckt 7850_74477530_1m 1 2 / Rp 1 2 187304.915771 / Cp 1 2 4.36976277949p / Rs 1 N3 3.3 / L1 N3 2 1000u / .ends 7850_74477530_1m", Simulation PortMap=(1:1),(2:2)
P1 P2 P3 P4 P5 P13 P14 P15 P16: "WR-WTB THT Male Vertical Locking Header, pitch 2.54mm, 3p", Contact Resistance=20mOhm, Operating Temperature="-40 to +105degC", Rated Current=3A, Withstanding Voltage=1000VAC, Working Voltage=250VAC, ComponentLink1Description=Manufacturer, ComponentLink1URL=http://www.we-online.de, ComponentLink2Description=Datasheet, ComponentLink2URL=https://www.we-online.com/catalog/datasheet/61900311121.pdf, Gender=Male, Mounting Technology=THT, Packaging=Bag, Part Number=61900311121, Pin Number=3, Pitch=2.54mm, Published Date="January 2020", Publisher="Wurth Elektronik", Type=Vertical
Q1 Q2 Q3: library part BC847C_Infineon, "NPN Silicon AF Transistor, 45 V VCEO, 100 mA IC, SOT23, Reel, Green", Manufacturer=Infineon, ComponentLink1Description="Manufacturer URL", ComponentLink1URL=http://www.infineon.com/, ComponentLink2Description=Datasheet, ComponentLink2URL=http://www.infineon.com/dgdl/bc847series_bc848series_bc849series_bc850series.pdf?folderId=db3a304314dca389011541d30fa21656&fileId=db3a304314dca389011541d4630a1657, ComponentLink3Description="Package Specification", ComponentLink3URL=http://www.infineon.com/dgdl/SOT23-Package_Overview.pdf?folderId=db3a30431936bc4b0119532290053c66&fileId=db3a30431936bc4b0119533468123c85, fT (typ)="250Â MHz", Green=TRUE, IBM (max)="200Â mA", IC (max)="100Â mA", ICBO (max)="15Â nA", ICM (max)="200Â mA", Mounting Technology="Surface Mount", PackageDescription="3-Pin Small Outline Transistor Package, 1.3 x 2.9 mm Body, 0.95 mm Pitch", PackageReference=SOT23, PackageVersion=Apr-08, Packing=Reel, PartNumber=BC847C, Polarity=NPN, Ptot (max)="330Â mW", VCBO (max)="50Â V", VCEO (max)="45Â V", VEBO (max)="6Â V"
R1 R2 R3 R4 R5 R6 R7 R8 R9 R10 R11 R12 R13 R14 R15 R16 R17 R18 R19 R20 R21 R22 R23 R24 R25 R26 R27 R28 R29 R30 R31 R32 R33 R34 R35 R36 R37 R38 R39 R40 R41 R42 R43 R44 R45 R46 R47 R49 R50 R51 R52 R53 R54 R55 R57 R58 R59 R60 R61 R62 R72 R73 R76 R77 R81 R82 R84 R88 R92 R95 R96 R104 R107 R108 R111 R113 R115 R118 R119 R131 R132 R135 R136 R140 R143 R146 R147 R149 R152 R153: library part RES-CONST
R56: library part RES-CONST, "10K"
TP1 TP2 TP3 TP4 TP5 TP6 TP7 TP8 TP9 TP10 TP11 TP12 TP13 TP14 TP15 TP16 TP17 TP18 TP19 TP20 TP21 TP22 TP23 TP24 TP25 TP26 TP27 TP28 TP29 TP30 TP31 TP32 TP33 TP34 TP35 TP36 TP39 TP40 TP41 TP42 TP43 TP44 TP45 TP46 TP47 TP48 TP49 TP50 TP51 TP52 TP53 TP54 TP55 TP56 TP57 TP58 TP59 TP63 TP68 TP70 TP78 TP83 TP86 TP88: library part TP_PCB?, "Test_Point"
U1 U6 U10: library part DC-DC/12-18VDC
U4: library part CMP-0534-00565-1, "Quad Channel Digital Isolator, 2.5 KV rms Insulation Rating, 10 Mbps Data Rate, 50 ns Delay, Industrial, 16-pin SOIC (RW-16), Tube", Manufacturer="Analog Devices", Max Operating Temp (degreesC)=125, Code_JEDEC=MS-013-AA, ComponentLink1Description="Manufacturer URL", ComponentLink1URL=http://www.analog.com/en/index.html, ComponentLink2Description=Datasheet, ComponentLink2URL=http://www.analog.com/static/imported-files/data_sheets/ADuM1400_1401_1402.pdf, ComponentLink3Description="Package Specification", ComponentLink3URL=http://www.analog.com/static/imported-files/packages/PKG_PDF/SOIC_WIDE%20%28RW%29/RW_16.pdf, ComponentLink4Description="URL Link1", ComponentLink4URL="Product URL:http://www.analog.com/en/interface-isolation/digital-isolators/adum1401/products/product.html", ComponentLink5Description="URL Link2", ComponentLink5URL="Reference Circuit:http://www.analog.com/en/interface-isolation/digital-isolators/adum1401/products/product.html#product-recommendations", DatasheetVersion="Rev. H", Max Data Rate=10Mbps, Mounting Technology="Surface Mount", PackageDescription="16-Pin Standard Small Outline Package, Body 10.3 x 7.5 mm, Pitch 1.27 mm", PackageReference=RW-16, PackageVersion="032707-B, 03/2007", PartNumber=ADUM1401BRWZ
U5: library part MCP6001T, "IC OPAMP GP 1 CIRCUIT SOT23-5", Case/Package=SOT-23, Input Bias Current=1pA, Input Offset Voltage (Vos)=4.5mV, Max Operating Temperature=85°C, Max Supply Voltage=6V, Min Operating Temperature=-40°C, Min Supply Voltage=1.8V, Nominal Supply Current=100uA, Operating Supply Voltage=5.5V, Output Current=23mA, Package Quantity=1, Power Supply Rejection Ratio (PSRR)=86dB, Voltage Gain=112dB, Bandwidth=1MHz, Common Mode Rejection Ratio=60dB, Contact Plating=Tin, Gain Bandwidth Product=1MHz, Height=1.3mm, Lead Free="Lead Free", Length=3.1mm, Mount="Surface Mount", Number of Amplifiers=1, Number of Channels=1, Number of Circuits=1, Number of Elements=1, Number of Pins=5, Operating Supply Current=100uA, Output Current per Channel=23mA, Packaging="Tape and Reel", Radiation Hardening=No, REACH SVHC="No SVHC", Slew Rate=0.6V/µs, Unity Gain Bandwidth Product=1MHz, Voltage=6V, Width=1.8mm
U9 U11: library part AMS1117
VD2 VD6 VD11 VD15 VD21 VD25: library part Suppressor
VD4 VD8 VD13 VD17 VD23 VD27: library part ZENER
Y1: library part CMP-1749-00004-1, "Resistance Weld Thru-Hole Crystal, 12 MHz, +/-30 ppm, -20 to 70 degC, 2-Pin THD, RoHS, Bulk", Case\Package=TO-251-3, Input Capacitance="350 pF", Max Operating Temperature="150 degC", Max Power Dissipation="2.5 W", Min Operating Temperature="-55 degC", Package Quantity=70, ComponentLink1Description="Manufacturer URL", ComponentLink1URL=http://www.foxonline.com/, ComponentLink2Description=Datasheet, ComponentLink2URL=http://www.foxonline.com/pdfs/hc49slf.pdf, DatasheetVersion=Mar-15, Elements=1, Height="6.1 mm", Length="6.6 mm", Mount="Through Hole", PackageDescription="2-Pin Through Hole Device, Body 11.35 x 4.65 mm, Pitch 4.88 mm", PackageReference=FOXSLF-2, Packaging=Rail/Tube, Pins=3, Radiation Hardening=No, Rds On Max="115 mohm", REACH SVHC="No SVHC", RoHSCompliant=true, Typical Rise Time="90 ns", Width="2.3 mm"

## Via types
v1: diameter 0.8, hole 0.3, Top Layer to Bottom Layer, 76 vias
v2: diameter 0.8, hole 0.3, Top Layer to Bottom Layer, tented both sides, 35 vias
v3: diameter 1, hole 0.5, Top Layer to Bottom Layer, tented both sides, 35 vias
v4: diameter 0.6, hole 0.3, Top Layer to Bottom Layer, 16 vias
v5: diameter 1, hole 0.5, Top Layer to Bottom Layer, 16 vias
v6: diameter 0.8, hole 0.4, Top Layer to Bottom Layer, 4 vias
v7: diameter 0.8, hole 0.4, Top Layer to Bottom Layer, tented both sides, 2 vias
v8: diameter 0.7, hole 0.3, Top Layer to Bottom Layer, tented both sides, 1 vias
v9: diameter 1.5, hole 1, Top Layer to Bottom Layer, tented both sides, 1 vias